# Altium PCB PCB1.PcbDoc (part 2 of 2)
Units mm, origin at the board's own origin, x right, y up, seen from the top; angles counter-clockwise.
Board outline 96.34 x 69.67 mm, 4 copper layers (Top Layer, 2 Layer, 3 Layer, Bottom Layer), stack 1.706 mm thick; 215 components, 152 nets, 687 pads, 296 vias.
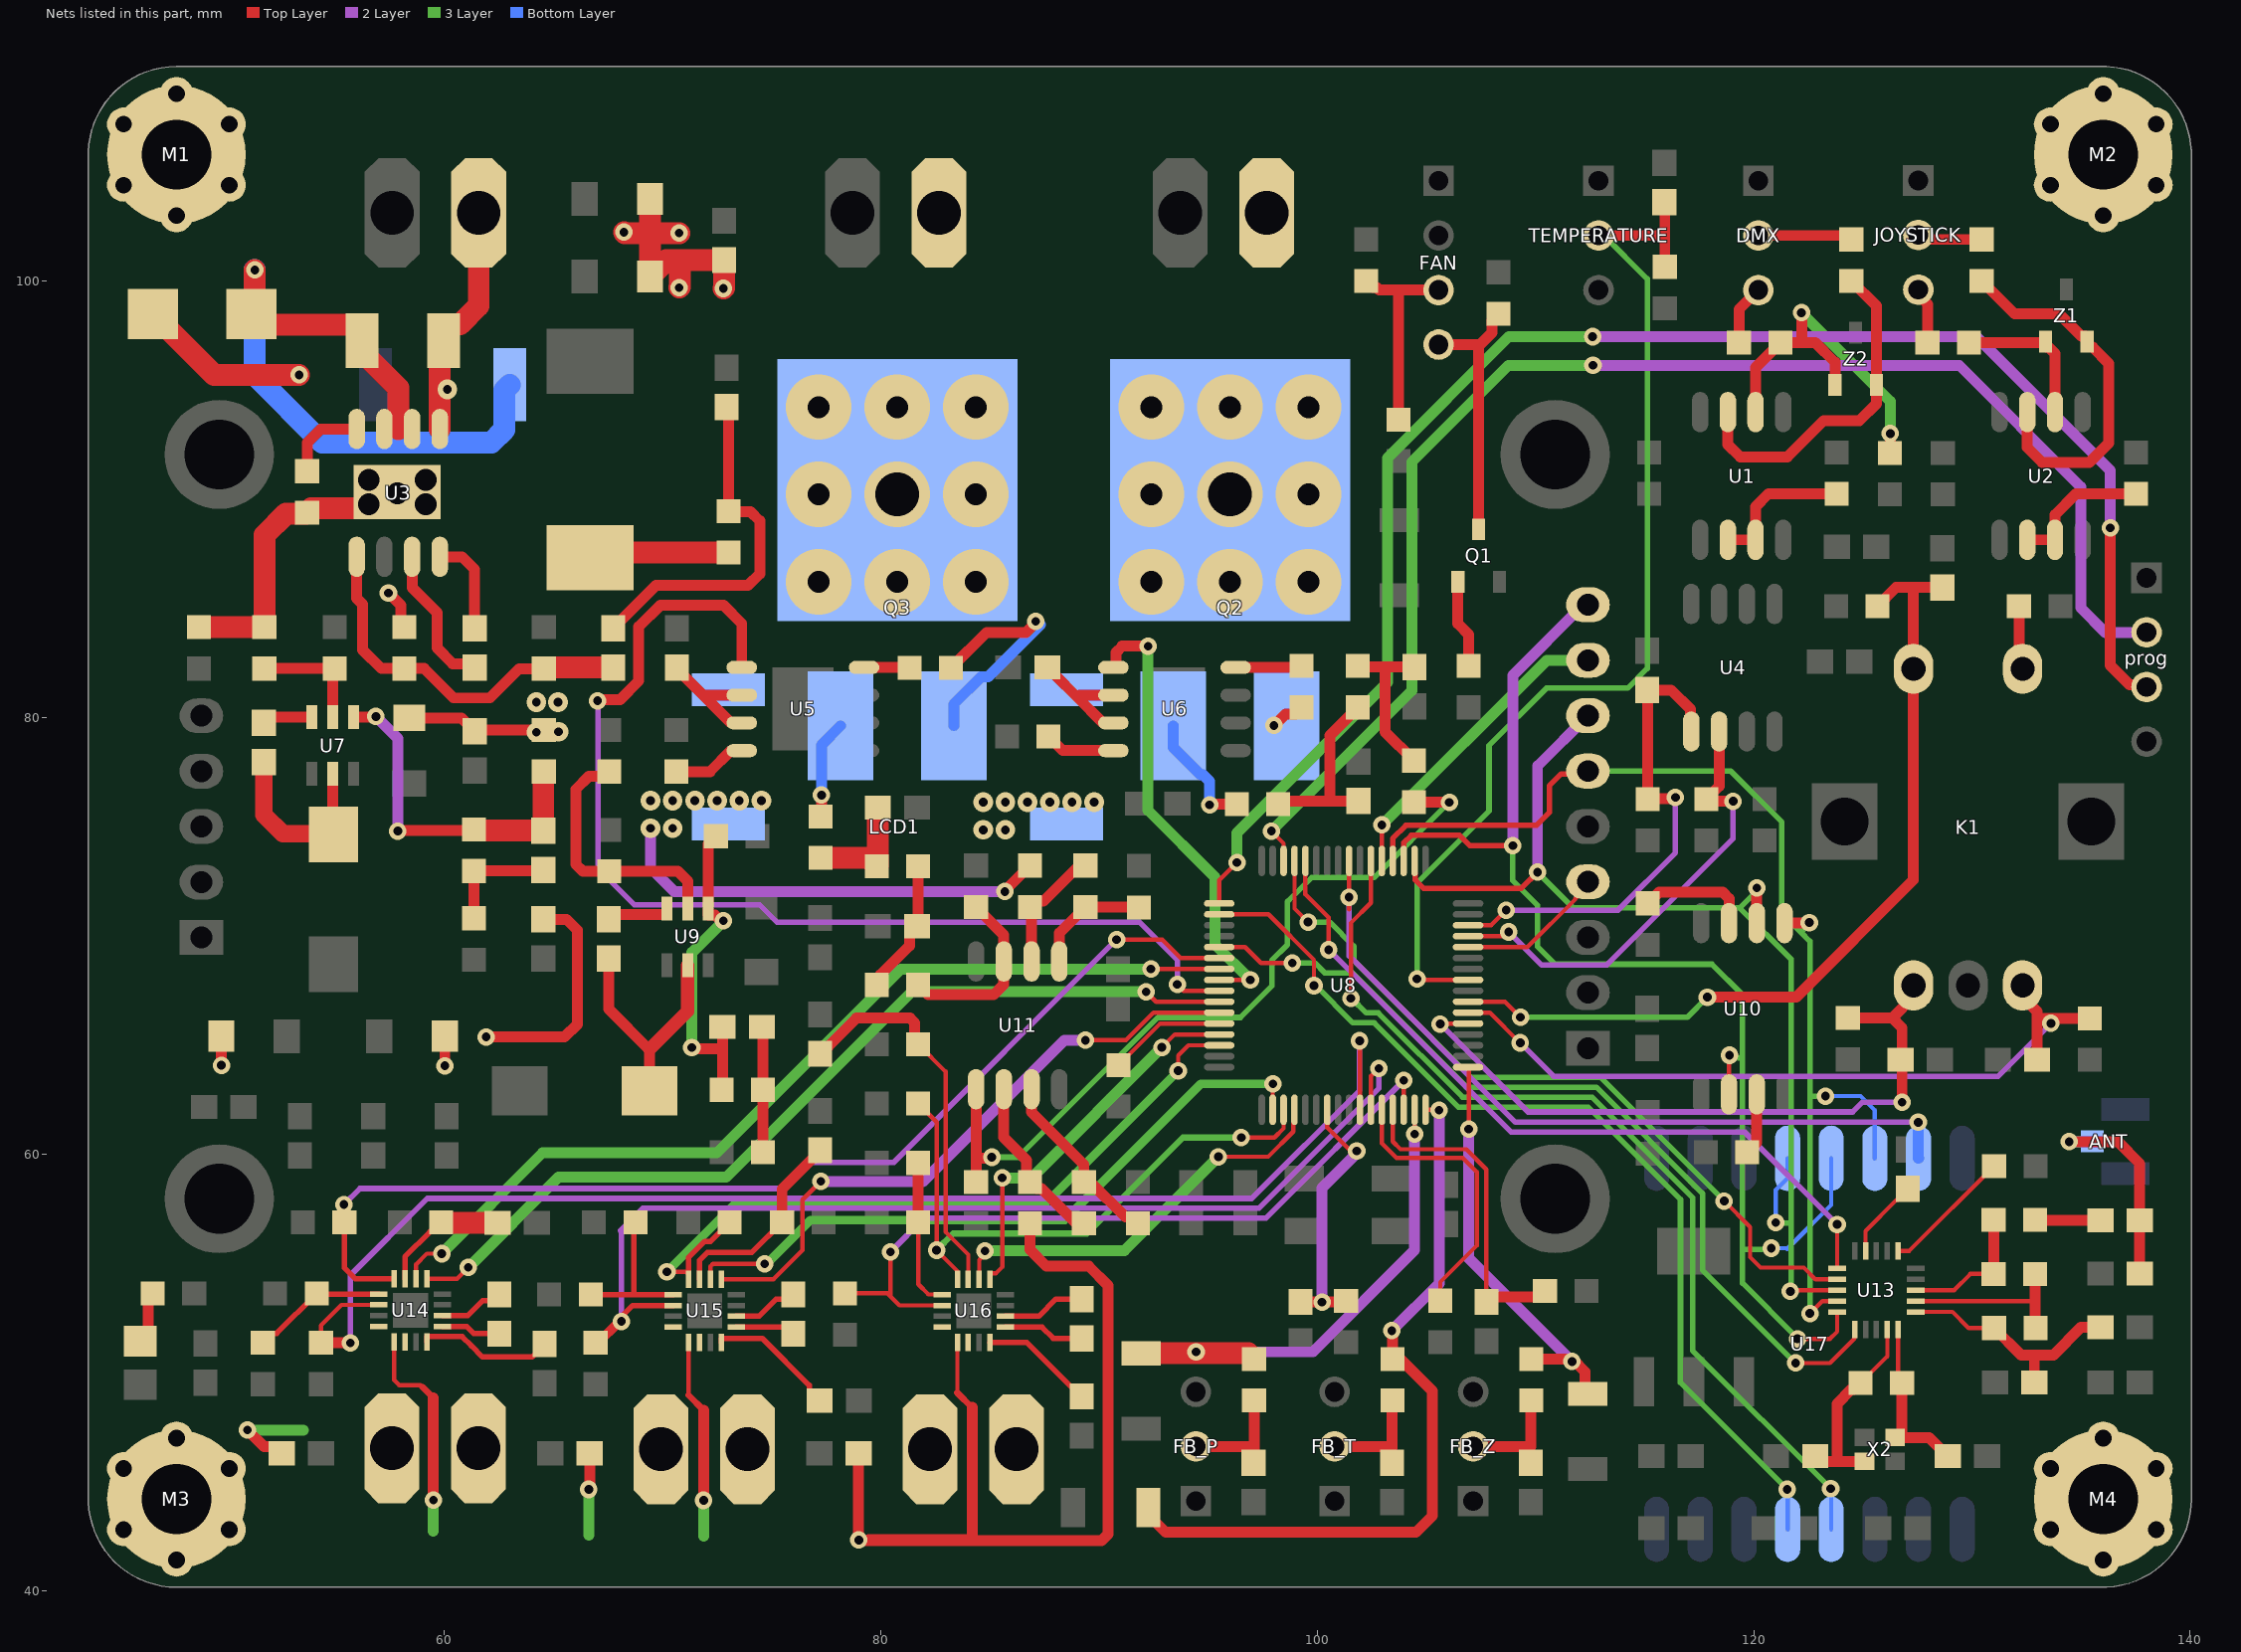
[diagram p4: the nets of this part, all layers, seen from the top]

## Via types
v1: diameter 0.8, hole 0.4, Top Layer to Bottom Layer, tented both sides, 207 vias
v2: diameter 0.9, hole 0.4, Top Layer to Bottom Layer, tented both sides, 63 vias
v3: diameter 3, hole 1, Top Layer to Bottom Layer, tented both sides, 16 vias
v4: diameter 1.4, hole 1, Top Layer to Bottom Layer, tented both sides, 8 vias
v5: diameter 3, hole 2, Top Layer to Bottom Layer, tented both sides, 2 vias

## Nets (pads, with @x,y where several pads share a name; then routed paths per layer and width w, separated by ;. In a path a pad name is that pad's centre, name@x,y a point inside that pad or via, vN(x,y) a via of type N, cw(c..) or ccw(c..) an arc to the next point about the centre after c; other vN are vias at no path point) (continued)
LCD_LED: LCD1.8 U8.37 | length 14.2
  Top Layer w0.2: U8.37@102.969,73.434 v1(102.969,75.08)
  3 Layer w0.5: v1(102.969,75.08) 110.517,82.628 LCD1.8@112.41,82.628
LCD_MISO: LCD1.9 U8.35 U10.2 U13.5 U17.13 | length 63.3
  Top Layer w0.2: U10.2@118.873,62.737 118.873,64.513 v1(118.89,64.53) ; v1(122.01,51.54) 123.5,51.54 123.826,51.866 U13.5@123.826,52.772
  Top Layer w0.25: U8.35@103.969,73.434 103.969,74.259 104.32,74.61 106.53,74.61 107.01,74.13 v1(108.97,74.13)
  2 Layer w0.254: LCD1.9@112.197,85.167 LCD1.9@112.41,85.167
  2 Layer w0.5: v1(108.97,74.13) 108.97,81.94 LCD1.9@112.197,85.167
  3 Layer w0.254: v1(108.97,74.13) 108.97,72.53 110.11,71.39 110.11,69.5 110.91,68.7 118.09,68.7 119.49,67.3 119.49,64.4 ; v1(118.89,64.53) 118.994,64.426 119.286,64.426 119.312,64.4 119.49,64.4 ; v1(120.81,55.69) 120.76,55.64 119.49,55.64 ; v1@121.99,51.59 119.49,54.09 119.49,55.64 ; 119.49,55.64 119.49,64.4
  Bottom Layer w0.2: v1(120.81,55.69) 121.51,55.69 121.54,55.66 123.555,57.675 U17.13@123.555,59.808
LCD_MOSI: LCD1.6 U8.36 U10.5 U13.4 U17.14 | length 53.6
  Top Layer w0.2: v1@122.527,70.587 v1(122.55,70.61) ; v1(122.58,52.7) 123.152,53.272 U13.4@123.826,53.272
  Top Layer w0.25: U8.36@103.469,73.434 103.469,74.459 104.07,75.06 110.05,75.06 110.64,75.65 110.64,76.87 111.185,77.415 112.274,77.415 LCD1.6@112.41,77.551
  Top Layer w0.5: U10.5@121.413,70.587 v1@122.527,70.587
  3 Layer w0.254: LCD1.6@112.41,77.551 118.949,77.551 121.29,75.21 121.29,71.04 122.175,70.155 ; v1(122.55,70.61) 122.55,70.563 122.175,70.188 122.175,70.155 ; v1(122.58,52.7) 122.58,62.56 ; v1(123.29,62.66) 122.68,62.66 122.58,62.56 ; 122.175,70.155 122.58,69.75 122.58,62.56
  Bottom Layer w0.2: v1(123.29,62.66) 124.9,62.66 125.555,62.005 U17.14@125.555,59.808
LCD_RESET: LCD1.4 U8.28 | length 6.9
  Top Layer w0.2: U8.28@106.919,69.484 106.923,69.48 109.63,69.48 111.839,71.689 111.839,71.723 112.41,72.294 LCD1.4@112.41,72.473
LCD_SCK: LCD1.7 U8.34 U10.6 U13.3 U17.12 | length 52.5
  Top Layer w0.2: v1@120.143,72.193 v1(120.15,72.2) ; v1(121.68,53.71) 121.742,53.772 U13.3@123.826,53.772
  Top Layer w0.25: U8.34@104.469,73.434 104.479,73.425 104.479,72.839 104.494,72.824 104.494,72.566 104.88,72.18 109.36,72.18 v1(110.1,72.92)
  Top Layer w0.5: U10.6@120.143,70.587 v1@120.143,72.193
  2 Layer w0.5: v1(110.1,72.92) 110.1,77.779 LCD1.7@112.41,80.089
  3 Layer w0.254: v1(110.1,72.92) 111.74,71.28 119.37,71.28 ; v1(120.15,72.2) 120.15,72.06 119.37,71.28 ; v1(121.01,56.86) 121.03,56.84 121.71,56.84 ; v1(121.68,53.71) 121.71,53.74 121.71,56.84 ; 119.37,71.28 121.71,68.94 121.71,56.84
  Bottom Layer w0.2: v1(121.01,56.86) 121.01,58.356 121.555,58.901 U17.12@121.555,59.808
LORA-DIO0: U8.50 U17.5 | length 44.4
  Top Layer w0.2: U8.50@95.519,70.984 97.776,70.984 99.86,68.9 v1(99.86,67.72)
  3 Layer w0.254: v1(99.86,67.72) 99.942,67.72 101.646,66.016 102.618,66.016 106.476,62.158 112.416,62.158 116.65,57.924 116.65,49.53 v1(121.54,44.64)
  Bottom Layer w0.2: v1(121.54,44.64) 121.555,44.625 U17.5@121.555,42.808
LORA-NSS: U8.40 U17.15 | length 36.3
  Top Layer w0.2: v1(101.469,71.77) 101.469,71.221 U8.40@101.469,73.434
  2 Layer w0.254: v1(101.469,71.77) 101.469,69.081 109.09,61.46 v1(127.54,61.46)
  Bottom Layer w0.5: v1(127.54,61.46) 127.54,59.823 U17.15@127.555,59.808
LORA-RST: U8.38 U17.4 | length 43.9
  Top Layer w0.2: v1(101.55,67.14) 101.55,70.59 102.469,71.509 U8.38@102.469,73.434
  3 Layer w0.254: v1(101.55,67.14) 101.58,67.14 102.25,66.47 102.806,66.47 106.664,62.612 112.604,62.612 117.206,58.01 117.206,51.004 v1(123.53,44.68)
  Bottom Layer w0.2: v1(123.53,44.68) 123.555,44.655 U17.4@123.555,42.808
M_PAN_EN: U8.58 U14.1 | length 41.9
  Top Layer w0.2: U14.1@59.223,54.294 60.604,54.294 v1(61.12,54.81) ; v1(92.17,67.44) 92.626,66.984 U8.58@95.519,66.984
  3 Layer w0.5: v1(61.12,54.81) 65.25,58.94 72.94,58.94 81.44,67.44 v1(92.17,67.44)
M_PAN_FAULT: R67.1 U8.54 U14.4 | length 51.3
  Top Layer w0.2: v1(90.82,69.83) 92.91,69.83 93.756,68.984 U8.54@95.519,68.984
  Top Layer w0.25: v1(55.42,57.69) 55.42,57.871 55.443,57.894 R67.1@55.443,56.878 55.443,54.793 55.942,54.294 U14.4@57.723,54.294
  2 Layer w0.254: v1(55.42,57.69) 56.154,58.424 75.404,58.424 76.6,59.62 80.61,59.62 v1(90.82,69.83)
M_PAN_IPROPI: R80.2 U8.10 U14.6 | length 63.5
  Top Layer w0.2: R80.2@54.374,51.362 54.374,52.155 55.313,53.094 U14.6@57.023,53.094 ; v1@55.708,51.362 v1(55.72,51.35) ; v1(101.95,65.19) 101.969,65.171 U8.10@101.969,62.034
  Top Layer w0.5: R80.2@54.374,51.362 v1@55.708,51.362
  2 Layer w0.254: v1(55.72,51.35) 55.72,54.45 59.24,57.97 96.999,57.97 101.95,62.921 v1(101.95,65.19)
M_PAN_PH: U8.55 U14.2 | length 43.1
  Top Layer w0.2: U14.2@58.723,54.294 58.723,54.943 59.22,55.44 v1(59.9,55.44) ; v1(92.39,68.48) 92.394,68.484 U8.55@95.519,68.484
  3 Layer w0.5: v1(59.9,55.44) 64.514,60.054 72.494,60.054 80.92,68.48 v1(92.39,68.48)
M_TILT_EN: U8.59 U15.1 | length 29.2
  Top Layer w0.2: U15.1@72.706,54.27 75.1,54.27 76.43,55.6 76.43,57.91 v1(77.27,58.75) ; v1(89.39,65.22) 91.25,65.22 92.514,66.484 U8.59@95.519,66.484
  2 Layer w0.5: v1(77.27,58.75) 81.96,58.75 88.43,65.22 v1(89.39,65.22)
M_TILT_FAULT: R70.1 U8.62 U15.4 | length 34.6
  Top Layer w0.2: v1(70.22,54.61) 71.116,54.61 71.206,54.52 U15.4@71.206,54.27 ; v1(93.64,63.82) 93.64,64.52 94.104,64.984 U8.62@95.519,64.984
  Top Layer w0.25: U15.4@71.206,54.52 71.206,55.258 71.951,56.003 72.221,56.003 R70.1@73.096,56.878
  3 Layer w0.4: v1(70.22,54.61) 73.26,57.65 87.47,57.65 v1(93.64,63.82)
M_TILT_IPROPI: R82.2 U8.11 U15.6 | length 50.6
  Top Layer w0.2: R82.2@66.947,51.359 67.086,51.22 68.13,52.264 v1(68.13,52.34) ; U8.11@102.469,62.034 102.469,63.579 102.82,63.93 v1(102.83,63.93)
  Top Layer w0.25: R82.2@66.947,51.359 68.658,53.07 U15.6@70.506,53.07
  2 Layer w0.254: v1(68.13,52.34) 68.13,56.44 68.08,56.49 69.106,57.516 97.336,57.516 102.83,63.01 v1(102.83,63.93)
M_TILT_PH: U8.2 U15.2 | length 31
  Top Layer w0.2: U15.2@72.206,54.27 72.206,54.853 72.323,54.97 v1(74.693,54.97) ; U8.2@97.969,62.034 97.969,63.21 v1(97.979,63.22)
  3 Layer w0.254: v1(74.693,54.97) v1@74.79,54.97
  3 Layer w0.4: v1@74.79,54.97 76.8,56.98 88.44,56.98 94.68,63.22 v1(97.979,63.22)
M_ZOOM_EN: U8.61 U16.1 | length 17.7
  Top Layer w0.2: U16.1@85.025,54.27 85.025,54.522 85.05,54.547 85.297,54.547 85.58,54.83 v1(85.58,58.91) ; v1(92.89,64.89) 93.484,65.484 U8.61@95.519,65.484
  3 Layer w0.5: v1(85.58,58.91) 86.91,58.91 v1(92.89,64.89)
M_ZOOM_FAULT: R57.1 U8.3 U16.4 | length 27.9
  Top Layer w0.2: R57.1@81.732,62.315 82.582,61.465 82.582,55.612 v1(82.57,55.6) 83.525,54.645 U16.4@83.525,54.27 ; v1(96.53,60.76) 98.05,60.76 98.469,61.179 U8.3@98.469,62.034
  3 Layer w0.3: v1(82.57,55.6) 83.33,56.36 89.46,56.36 93.86,60.76 v1(96.53,60.76)
M_ZOOM_IPROPI: R76.2 U8.14 U16.6 | length 34.8
  Top Layer w0.2: R76.2@78.377,53.622 80.318,53.622 80.46,53.48 ; v1(80.46,55.52) 80.46,53.48 ; U16.6@82.825,53.07 80.87,53.07 80.46,53.48 ; U8.14@103.969,62.034 U8.14@103.969,62.034 v1(103.97,63.38)
  2 Layer w0.254: v1(80.46,55.52) 82.002,57.062 97.652,57.062 v1(103.97,63.38)
M_ZOOM_PH: U8.4 U16.2 | length 18.8
  Top Layer w0.2: U16.2@84.525,54.27 84.525,55.153 84.79,55.418 v1(84.79,55.57) ; v1(95.48,59.88) 97.765,59.88 98.919,61.034 98.919,61.407 98.969,61.457 U8.4@98.969,62.034
  3 Layer w0.5: v1(84.79,55.57) 91.17,55.57 v1(95.48,59.88)
NetC6_2: C6.2 D1.2 R87.2 U3.2 U3.3 | length 32.6
  Top Layer w1: v1(51.34,100.51) 51.34,98.654 D1.2@51.181,98.495 51.676,98 56.017,98 56.247,97.77 C6.2@56.247,97.27 56.247,96.77 57.912,95.105 57.912,93.218
  Bottom Layer w1: v1(51.34,100.51) 51.34,95.68 54.43,92.59 62.17,92.59 62.769,93.189 62.769,95 R87.2@63.019,95.25
NetC7_1: C7.1 C11.2 R17.2 | length 16.6
  Top Layer w0.5: C11.2@67.754,84.092 67.754,84.142 68.054,84.442 68.104,84.442 69.722,86.06 73.94,86.06 74.47,86.59 74.47,89.011 74.05,89.431 73.071,89.431 R17.2@73.043,89.459 73.043,94.148 C7.1@72.961,94.23
NetC10_1: C10.1 U3.7 | length 6.7
  Top Layer w0.5: U3.7@58.547,87.368 58.547,85.943 59.69,84.8 59.69,83.185 60.405,82.47 61.234,82.47 C10.1@61.412,82.292
NetC10_2: C10.2 L1.1 R17.1 U3.8 | length 11
  Top Layer w0.5: U3.8@59.817,87.368 60.841,87.368 61.412,86.797 C10.2@61.412,84.092
  Top Layer w1: L1.1@66.702,87.324 66.937,87.559 R17.1@73.043,87.559
NetC11_1: C11.1 R23.2 R24.1 U3.5 | length 17.3
  Top Layer w0.5: U3.5@56.007,87.368 56.007,85.471 56.28,85.198 56.28,83.104 57.139,82.245 R23.2@58.191,82.245 59.106,82.245 60.452,80.899 62.109,80.899 63.452,82.242 R24.1@64.583,82.242
  Top Layer w1: R24.1@64.583,82.242 64.633,82.292 C11.1@67.754,82.292
NetC12_2: C12.2 U5.6 U5.7 | length 5.8
  Top Layer w0.5: C12.2@70.676,82.292 70.976,81.992 70.976,81.932 71.882,81.026 ; U5.7@73.648,79.756 73.629,79.775 73.133,79.775 71.882,81.026 ; U5.6@73.648,81.026 71.882,81.026
NetC15_2: C15.2 R26.2 R33.1 | length 7.4
  Top Layer w0.5: R26.2@101.872,82.364 101.922,82.314 103.124,82.314 ; R33.1@104.432,78.032 103.124,79.34 103.124,82.314 ; C15.2@104.457,82.314 103.124,82.314
NetC16_2: C16.2 U6.6 U6.7 | length 5.8
  Top Layer w0.5: C16.2@87.648,82.303 87.698,82.303 87.998,82.003 87.998,81.953 89.027,80.924 ; U6.7@90.672,79.756 90.653,79.775 90.176,79.775 89.027,80.924 ; U6.6@90.672,81.026 89.129,81.026 89.027,80.924
NetC18_1: C18.1 U7.6 | length 2.3
  Top Layer w0.5: C18.1@51.753,79.76 52.014,80.021 U7.6@53.962,80.021
NetC18_2: C18.2 L2.1 U7.2 | length 8.7
  Top Layer w0.5: L2.1@54.912,74.674 U7.2@54.912,77.421
  Top Layer w0.8: C18.2@51.753,77.96 51.753,75.552 52.631,74.674 L2.1@54.912,74.674
NetC20_2: C20.2 R26.1 R39.2 | length 8.6
  Top Layer w0.5: R39.2@98.222,76.038 98.366,76.182 100.584,76.182 ; R26.1@101.872,80.464 100.584,79.176 100.584,76.182 ; C20.2@101.897,76.182 100.584,76.182
NetC22_2: C22.2 R40.2 R44.1 | length 5.4
  Top Layer w1: R40.2@77.255,73.572 79.449,73.572 79.782,73.239 79.882,73.239 C22.2@79.882,75.882
NetC23_1: C23.1 R29.2 R41.1 U7.4 | length 16.1
  Top Layer w0.5: U7.4@55.862,80.021 56.861,80.021 v1(56.89,80.05) ; v1(57.89,74.8) 57.914,74.824 R41.1@61.437,74.824
  Top Layer w1: R41.1@61.437,74.824 C23.1@64.558,74.824 64.558,77.504 R29.2@64.583,77.529
  2 Layer w0.5: v1(56.89,80.05) 57.89,79.05 v1(57.89,74.8)
NetC23_2: C23.2 R41.2 R50.1 | length 5.4
  Top Layer w0.5: R50.1@61.387,70.81 R41.2@61.387,72.974 64.508,72.974 C23.2@64.558,73.024
NetC25_2: C25.2 R44.2 R51.1 | length 6.3
  Top Layer w0.5: R51.1@79.832,67.752 79.991,67.911 79.991,68.211 81.332,69.552 81.332,70.145 81.632,70.445 C25.2@81.682,70.445 81.732,70.495 R44.2@81.732,73.189
NetC28_1: C28.1 U9.6 | length 3
  Top Layer w0.5: C28.1@67.557,70.76 67.781,70.984 70.218,70.984 U9.6@70.218,71.258
NetC28_2: C28.2 L3.1 U9.2 | length 11.4
  Top Layer w0.5: C28.2@67.557,68.96 67.557,66.643 69.41,64.79 ; L3.1@69.432,62.909 69.432,64.812
  Top Layer w0.6: 69.432,64.812 71.168,66.548 U9.2@71.168,68.658
NetC31_2: C31.2 R54.1 U16.3 | length 17.8
  Top Layer w0.2: R54.1@81.732,65.033 82.982,63.783 82.982,56.438 84.025,55.395 U16.3@84.025,54.27
  Top Layer w0.5: C31.2@77.28,64.6 77.28,64.65 77.58,64.95 77.63,64.95 78.91,66.23 81.35,66.23 81.559,66.021 81.559,65.207 R54.1@81.732,65.033
NetC32_1: C32.1 R43.2 R56.1 U9.4 | length 15.5
  Top Layer w0.5: v1(71.357,64.883) 71.57,64.883 71.632,64.82 72.767,64.82 ; R43.2@72.466,74.567 72.118,74.219 U9.4@72.118,71.258 72.118,70.958 72.418,70.958 72.81,70.566 v1(72.81,70.69) ; R56.1@72.72,62.947 72.767,62.994 72.767,64.82 ; C32.1@72.767,65.829 72.767,64.82
  3 Layer w0.5: v1(71.357,64.883) 71.357,69.255 ; 71.375,69.255 v1(72.81,70.69)
NetC32_2: C32.2 R56.2 R59.1 | length 5.8
  Top Layer w0.5: C32.2@74.567,65.829 74.62,65.776 R56.2@74.62,62.947 R59.1@74.62,60.089
NetC38_2: C38.2 R71.1 U15.3 | length 9.4
  Top Layer w0.25: U15.3@71.706,54.27 71.706,55.122 72.083,55.499 74.115,55.499 R71.1@75.494,56.878
  Top Layer w0.5: R71.1@75.494,56.878 75.494,58.394 76.93,59.83 76.98,59.83 77.28,60.13 C38.2@77.28,60.18
NetC42_2: C42.2 U13.19 | length 3.7
  Top Layer w0.2: U13.19@125.126,55.572 125.126,56.481 126.564,57.919 126.614,57.919 127.064,58.369 C42.2@127.064,58.419
NetC46_1: C46.1 L4.2 | length 3
  Top Layer w0.5: L4.2@132.893,56.981 132.914,56.96 C46.1@135.886,56.96
NetC46_2: ANT.3 C46.2 C48.2 | length 9.7
  Top Layer w0.5: v1(134.46,60.57) 136.69,60.57 137.686,59.574 C46.2@137.686,56.96 C48.2@137.686,54.534
  Bottom Layer w0.5: v1(134.46,60.57) 134.465,60.575 135.504,60.575 ANT.3@135.508,60.579
NetC47_2: C47.2 R68.1 U14.3 | length 5.9
  Top Layer w0.25: U14.3@58.223,54.294 58.223,55.302 59.374,56.453 59.455,56.453 R68.1@59.88,56.878
  Top Layer w1: R68.1@59.88,56.878 59.905,56.853 C47.2@62.466,56.853
NetC49_1: C49.1 U14.13 | length 2.8
  Top Layer w0.25: U14.13@59.923,52.094 60.271,52.094 60.272,52.095 61.055,52.095 61.378,51.772 C49.1@62.547,51.772
NetC49_2: C49.2 U14.14 | length 3
  Top Layer w0.25: U14.14@59.923,52.594 61.085,52.594 61.768,53.277 62.252,53.277 C49.2@62.547,53.572
NetC50_1: C50.1 U15.13 | length 2.7
  Top Layer w0.25: U15.13@73.406,52.07 75.711,52.07 C50.1@76.009,51.772
NetC50_2: C50.2 U15.14 | length 3
  Top Layer w0.25: U15.14@73.406,52.57 74.44,52.57 75.23,53.36 75.797,53.36 C50.2@76.009,53.572
NetC51_1: C51.1 U16.13 | length 3.7
  Top Layer w0.25: U16.13@85.725,52.07 87.403,52.07 87.915,51.558 C51.1@89.218,51.558
NetC51_2: C51.2 U16.14 | length 3.8
  Top Layer w0.25: U16.14@85.725,52.57 87.257,52.57 88.045,53.358 C51.2@89.218,53.358
NetC52_2: C52.2 R79.1 U8.7 | length 12.3
  Top Layer w0.2: U8.7@100.469,62.034 100.469,61.211 101.54,60.14 v1(101.82,60.14)
  Top Layer w0.5: C52.2@99.25,53.231 101.278,53.231 R79.1@101.328,53.281
  2 Layer w0.254: v1(101.82,60.14) v1@101.87,60.09
  2 Layer w0.5: v1(100.23,53.22) 100.23,58.45 v1@101.87,60.09
NetC53_2: C53.2 R73.2 U8.13 | length 15.2
  Top Layer w0.2: U8.13@103.469,62.034 103.469,60.579 103.825,60.223 106.839,60.223 107.759,59.304 107.759,53.467 C53.2@107.759,53.231
  Top Layer w0.5: C53.2@107.759,53.231 107.995,53.467 110.167,53.467 R73.2@110.439,53.739
NetC54_2: C54.2 C57.2 L6.2 U13.11 | length 11.1
  Top Layer w0.2: U13.11@127.426,52.772 129.108,52.772 129.844,52.036 L6.2@131.013,52.036
  Top Layer w0.5: L6.2@131.013,52.036 132.249,50.8 132.992,50.8 ; C57.2@132.86,49.537 132.86,50.668 132.992,50.8 ; C54.2@135.886,52.061 134.996,52.061 133.735,50.8 132.992,50.8
NetC56_1: C56.1 U14.12 | length 6.3
  Top Layer w0.25: U14.12@59.223,51.394 59.223,51.644 60.458,51.644 60.459,51.645 60.84,51.645 61.265,51.22 61.265,51.215 61.77,50.71 64.035,50.71 64.622,51.297 C56.1@64.622,51.312
NetC59_1: C59.1 U16.12 | length 5.2
  Top Layer w0.25: U16.12@85.025,51.37 86.706,51.37 88.702,49.374 88.793,49.374 89.218,48.949 C59.1@89.218,48.899
NetC60_1: C60.1 U15.12 | length 6
  Top Layer w0.25: U15.12@72.706,51.37 72.706,51.555 74.585,51.555 76.737,49.403 76.737,49.13 77.162,48.705 C60.1@77.212,48.705
NetC65_2: C65.2 R86.1 U13.9 X2.1 | length 9.4
  Top Layer w0.2: R86.1@124.897,49.512 126.126,50.741 U13.9@126.126,51.972
  Top Layer w0.5: C65.2@122.827,46.165 123.073,45.919 123.821,45.919 ; R86.1@124.897,49.512 124.597,49.212 124.472,49.212 123.821,48.561 123.821,45.919 ; X2.1@125.081,45.919 123.821,45.919
NetC66_1: C66.1 R86.2 U13.10 X2.3 | length 7.5
  Top Layer w0.2: U13.10@126.626,51.972 126.626,49.683 R86.2@126.797,49.512
  Top Layer w0.5: R86.2@126.797,49.512 126.797,47.095 126.873,47.019 128.047,47.019 128.551,46.515 128.551,46.465 128.851,46.165 C66.1@128.901,46.165
NetC67_2: C67.2 FB_P.2 R83.2 | length 5.6
  Top Layer w0.5: FB_P.2@94.453,46.609 96.989,46.609 97.116,46.736 ; C67.2@97.091,45.865 97.116,45.89 97.116,46.736 ; R83.2@97.116,48.717 97.116,46.736
NetC68_2: C68.2 FB_T.2 R84.2 | length 4.9
  Top Layer w0.5: FB_T.2@100.803,46.609 103.355,46.609 103.441,46.523 103.441,48.692 R84.2@103.466,48.717
NetC69_2: C69.2 FB_Z.2 R85.2 | length 4.8
  Top Layer w0.5: FB_Z.2@107.153,46.609 109.791,46.609 109.791,48.692 R85.2@109.816,48.717
NetD3_1: D3.1 R74.1 | length 2.4
  Top Layer w0.5: D3.1@46.101,51.435 46.46,51.794 46.46,53.407 R74.1@46.665,53.612
NetH1_2: JOYSTICK.2 R4.2 | length 3
  Top Layer w0.5: JOYSTICK.2@127.543,102.108 127.787,102.108 127.989,101.905 R4.2@130.447,101.905
NetH1_3: JOYSTICK.3 R9.2 | length 2.6
  Top Layer w0.5: JOYSTICK.3@127.543,99.608 127.543,99.364 127.965,98.942 R9.2@127.965,97.173
NetH2_2: DMX.2 R3.2 | length 4.3
  Top Layer w0.5: DMX.2@120.219,102.088 124.295,102.088 R3.2@124.478,101.905
NetH2_3: DMX.3 R8.2 | length 2.8
  Top Layer w0.5: R8.2@119.329,97.173 119.329,98.698 DMX.3@120.219,99.588
NetH4_3: FAN.3 R2.1 R10.2 | length 9.5
  Top Layer w0.5: R2.1@102.253,100.005 102.553,99.705 102.729,99.705 102.846,99.588 103.632,99.588 ; R10.2@103.733,93.65 103.733,99.487 103.632,99.588 ; FAN.3@105.572,99.588 103.632,99.588
NetH4_4: FAN.4 Q1.3 R7.2 | length 12.1
  Top Layer w0.5: FAN.4@105.572,97.088 107.463,97.088 ; Q1.3@107.403,88.623 107.403,97.028 107.463,97.088 ; R7.2@108.313,98.501 108.014,98.202 108.014,97.639 107.463,97.088
NetJ1_1: Q2.3 W.1
  other v3: 92.412,86.224 96.012,86.224 99.612,86.224 92.412,90.224 99.612,90.224 92.412,94.224 96.012,94.224 99.612,94.224
  other v5: 96.012,90.224
NetJ2_1: C.1 Q3.3
  other v3: 77.172,86.224 80.772,86.224 84.372,86.224 77.172,90.224 84.372,90.224 77.172,94.224 80.772,94.224 84.372,94.224
  other v5: 80.772,90.224
NetJ4_1: P.1 U14.8
NetJ4_2: P.2 U14.10
NetJ5_1: U16.8 Z.1
NetJ5_2: U16.10 Z.2
NetJ6_1: T.1 U15.8
NetJ6_2: T.2 U15.10
NetK1_5: K1.5 R19.2 | length 2.9
  Top Layer w0.5: R19.2@132.156,85.108 132.156,82.399 K1.5@132.321,82.234
NetL4_1: L4.1 L5.1 U13.13 | length 6.3
  Top Layer w0.2: U13.13@127.426,53.772 129.192,53.772 129.928,54.508 L5.1@130.993,54.508
  Top Layer w0.5: L5.1@130.993,54.508 L4.1@130.993,56.981
NetL5_2: L5.2 L6.1 U13.12 | length 8
  Top Layer w0.2: U13.12@127.426,53.272 132.807,53.272 132.893,53.358
  Top Layer w0.5: L5.2@132.893,54.508 132.893,53.358 132.893,52.056 L6.1@132.913,52.036
NetM1_1: M1.1 M1.2 M1.3 M1.4 M1.5 M1.6 M1.7
NetM2_1: M2.1 M2.2 M2.3 M2.4 M2.5 M2.6 M2.7
NetM3_1: M3.1 M3.2 M3.3 M3.4 M3.5 M3.6 M3.7
NetM4_1: M4.1 M4.2 M4.3 M4.4 M4.5 M4.6 M4.7
NetQ1_1: Q1.1 R25.2 | length 4.1
  Top Layer w0.5: Q1.1@106.453,86.223 106.453,84.301 106.952,83.802 R25.2@106.952,82.364
NetQ2_1: Q2.1 R39.1 R88.2 | length 5.6
  Top Layer w0.5: v1(95.08,76) 95.118,76.038 R39.1@96.322,76.038
  Bottom Layer w0.5: Q2.1@93.412,79.624 93.412,78.624 94.662,77.374 94.787,77.374 95.08,77.081 v1(95.08,76)
NetQ2_2: Q2.2 R28.2 | length 1.6
  Top Layer w0.5: v1(98.03,79.64) 98.554,80.164 98.996,80.164 R28.2@99.296,80.464
NetQ3_1: Q3.1 R40.1 R89.2 | length 4.5
  Top Layer w0.5: R40.1@77.255,75.472 77.3,75.517 v1(77.3,76.45)
  Bottom Layer w0.5: v1(77.3,76.45) 77.3,78.752 Q3.1@78.172,79.624
NetQ3_2: Q3.2 R27.2 | length 11.6
  Top Layer w0.5: R27.2@83.236,82.278 84.858,83.9 86.67,83.9 87.18,84.41 v1(87.11,84.41)
  Bottom Layer w0.5: Q3.2@83.372,79.624 83.372,80.624 84.622,81.874 84.944,81.874 87.33,84.26 87.18,84.41 v1(87.11,84.41)
NetR3_1: R3.1 U1.7 Z2.2 | length 15.6
  Top Layer w0.5: U1.7@118.819,93.994 118.819,92.509 119.38,91.948 121.55,91.948 123.201,93.599 124.841,93.599 125.623,94.381 125.623,95.238 Z2.2@125.625,95.24 125.625,98.858 R3.1@124.478,100.005
NetR4_1: R4.1 U2.7 Z1.2 | length 16.8
  Top Layer w0.5: R4.1@130.447,100.005 131.951,98.501 133.98,98.501 135.01,97.471 135.227,97.471 135.277,97.421 Z1.2@135.277,97.221 ; U2.7@132.535,93.994 132.535,92.382 133.223,91.694 135.382,91.694 136.271,92.583 136.271,96.227 Z1.2@135.527,96.971
NetR8_1: R8.1 R14.2 U1.6 Z2.1 | length 17.1
  Top Layer w0.5: U1.6@120.089,93.994 120.089,96.033 R8.1@121.229,97.173 122.21,97.173 ; v1(122.19,98.55) 122.21,98.53 122.21,97.173 ; Z2.1@123.725,95.24 123.725,96.28 122.832,97.173 122.21,97.173 ; R14.2@126.238,92.126 126.26,92.148 v1(126.26,93.01)
  3 Layer w0.5: v1(122.19,98.55) 126.26,94.48 v1(126.26,93.01)
NetR9_1: R9.1 U2.6 Z1.1 | length 6.9
  Top Layer w0.5: R9.1@129.865,97.173 133.329,97.173 133.329,97.069 133.427,96.971 133.512,96.971 133.805,96.678 U2.6@133.805,93.994
NetR12_2: R12.2 U1.2 U1.3 | length 6.7
  Top Layer w0.5: U1.2@118.819,88.144 U1.3@120.089,88.144 120.089,89.662 120.673,90.246 R12.2@123.807,90.246
NetR13_2: R13.2 U2.2 U2.3 | length 6.5
  Top Layer w0.5: U2.2@132.535,88.144 U2.3@133.805,88.144 ; U2.3@133.805,88.144 133.805,89.284 134.767,90.246 R13.2@137.523,90.246
NetR16_2: R16.2 U3.4 | length 3.8
  Top Layer w0.5: R16.2@53.739,91.291 53.739,92.601 54.356,93.218 U3.4@56.007,93.218
NetR21_2: R21.2 R22.1 U7.5 | length 5.5
  Top Layer w0.5: R21.2@51.778,82.245 R22.1@54.994,82.245 54.912,82.162 U7.5@54.912,80.021
NetR27_1: R27.1 U5.4 | length 2.1
  Top Layer w0.5: U5.4@79.248,82.296 81.318,82.296 R27.1@81.336,82.278
NetR28_1: R28.1 U6.4 | length 3.1
  Top Layer w0.5: U6.4@96.272,82.296 99.228,82.296 R28.1@99.296,82.364
NetR30_2: R30.2 R42.1 U9.5 | length 12
  Top Layer w0.5: R30.2@67.582,77.529 67.362,77.309 66.641,77.309 66.04,76.708 66.04,73.279 66.365,72.954 R42.1@67.582,72.954 70.718,72.954 71.168,72.504 U9.5@71.168,71.258
NetR31_1: R31.1 U5.8 | length 3.4
  Top Layer w0.5: R31.1@70.651,77.526 72.192,77.526 73.133,78.467 73.629,78.467 U5.8@73.648,78.486
NetR32_1: R32.1 U6.8 | length 3.2
  Top Layer w0.5: R32.1@87.701,79.139 88.354,78.486 U6.8@90.672,78.486
NetR33_2: R33.2 R63.2 U11.5 | length 36.2
  Top Layer w0.5: R63.2@84.38,58.725 84.38,59.81 ; U11.5@84.381,62.978 84.38,62.977 84.38,59.81 ; v1(85.1,59.86) 85.05,59.81 84.38,59.81 ; R33.2@104.432,76.132 106.048,76.132 v1(106.06,76.12)
  3 Layer w0.254: v1(85.1,59.86) 86.31,59.86 92.71,66.26 96.49,66.26 97.93,67.7 97.93,68.88 98.65,69.6 98.65,71.57 99.75,72.67 102.61,72.67 v1(106.06,76.12)
NetR45_2: R45.2 R51.2 U11.3 | length 8.4
  Top Layer w0.5: R51.2@81.732,67.752 82.184,67.3 85.18,67.3 85.651,67.771 U11.3@85.651,68.828 85.651,70.052 R45.2@84.38,71.323
NetR46_2: R46.2 R47.1 U11.2 | length 5.9
  Top Layer w0.5: U11.2@86.921,68.828 86.921,71.252 R46.2@86.85,71.323 87.11,71.583 87.458,71.583 89.098,73.223 R47.1@89.39,73.223
NetR47_2: R47.2 R48.1 U11.1 | length 5.4
  Top Layer w0.5: U11.1@88.191,68.828 88.191,70.124 R47.2@89.39,71.323 91.819,71.323 R48.1@91.839,71.303
NetR49_1: R49.1 U10.7 | length 5.2
  Top Layer w0.5: R49.1@115.151,71.487 115.672,72.008 118.58,72.008 118.873,71.715 U10.7@118.873,70.587
NetR55_1: R55.1 U8.60 | length 5.4
  Top Layer w0.2: R55.1@90.911,64.079 92.817,65.984 U8.60@95.519,65.984
NetR60_1: R60.1 R72.2 U16.5 | length 6.8
  Top Layer w0.2: R72.2@81.732,56.878 81.732,54.038 82.2,53.57 U16.5@82.825,53.57
  Top Layer w0.5: R72.2@81.732,56.878 R60.1@81.732,59.596
NetR61_1: R61.1 U10.3 | length 2.8
  Top Layer w0.5: R61.1@119.705,60.089 120.143,60.527 U10.3@120.143,62.737
NetR62_2: R62.2 U13.16 | length 6
  Top Layer w0.2: U13.16@126.626,55.572 127.131,55.572 R62.2@131.013,59.454
NetR64_2: R64.2 R65.1 U11.6 | length 8
  Top Layer w0.5: U11.6@85.651,62.978 85.651,60.78 86.699,59.732 86.699,58.877 R64.2@86.851,58.725 87.146,58.43 87.366,58.43 88.971,56.825 R65.1@89.323,56.825
NetR65_2: R65.2 R66.1 U11.7 | length 8.5
  Top Layer w0.5: U11.7@86.921,62.978 86.921,61.923 89.323,59.521 R65.2@89.323,58.725 89.611,58.725 91.216,57.12 91.499,57.12 R66.1@91.794,56.825
NetR69_1: R69.1 R77.2 U15.5 | length 7.1
  Top Layer w0.25: R77.2@66.726,53.576 66.732,53.57 68.707,53.57 ; R69.1@68.778,56.878 68.707,56.807 68.707,53.57 ; U15.5@70.506,53.57 68.707,53.57
NetR75_1: R75.1 R81.2 U14.5 | length 6.3
  Top Layer w0.25: R81.2@51.707,51.359 52.132,51.784 52.345,51.784 R75.1@54.173,53.612 54.191,53.594 U14.5@57.023,53.594
NetR78_1: R78.1 U8.12 | length 13
  Top Layer w0.2: U8.12@102.969,62.034 102.969,60.498 103.644,59.823 106.674,59.823 107.315,59.182 107.315,55.806 105.646,54.137 R78.1@105.646,53.284
NRF_CE: U8.44 U13.1 | length 35
  Top Layer w0.2: U8.44@99.469,73.434 99.469,71.901 100.53,70.84 v1(100.53,69.36) ; U13.1@123.826,54.772 v1(123.826,56.78)
  2 Layer w0.254: v1(100.53,69.36) 100.548,69.36 108.902,61.006 119.6,61.006 v1(123.826,56.78)
NRF_CSN: U8.45 U13.2 | length 35.3
  Top Layer w0.2: U8.45@98.969,73.434 98.969,71.251 v1(99.59,70.63) ; v1(118.65,57.85) 119.84,56.66 119.84,55.28 120.32,54.8 122.3,54.8 122.828,54.272 U13.2@123.826,54.272
  3 Layer w0.254: v1(99.59,70.63) 100.58,70.63 101.69,69.52 101.69,68.87 107.04,63.52 112.98,63.52 v1(118.65,57.85)
NRF_IRQ: U8.53 U13.6 | length 39.9
  Top Layer w0.2: U8.53@95.519,69.484 96.706,69.484 97.43,68.76 v1(98.87,68.76) ; v1(121.92,50.43) 123.5,50.43 124.626,51.556 U13.6@124.626,51.972
  3 Layer w0.254: v1(98.87,68.76) 99.9,68.76 100.35,68.31 101.608,68.31 106.852,63.066 112.792,63.066 117.66,58.198 117.66,54.69 v1(121.92,50.43)
PAN_ADC: D4.2 R83.1 U8.15 | length 23.6
  Top Layer w0.2: v1(104.469,60.923) U8.15@104.469,62.034
  Top Layer w1: D4.2@91.948,50.874 96.859,50.874 R83.1@97.116,50.617
  2 Layer w0.5: v1(94.46,50.94) 99.81,50.94 104.469,55.599 v1(104.469,60.923)
POWER_GND: C2.1 C3.1 C4.1 C6.1 C17.1 C19.1 C27.1 C33.1 C34.1 C61.1 C62.1 C63.1 D1.1 PWR.1 R16.1 R20.2 R21.1 R23.1 R29.1 R46.1 R64.1 R88.1 R89.1 U3.1 U14.9 U15.9 U16.9 | length 160.8
  Top Layer w0.2: U14.9@57.723,51.394 57.723,49.653 57.956,49.42 58.93,49.42 59.02,49.33 ; 71.206,48.954 U15.9@71.206,51.37 ; v1@79.171,42.479 79.216,42.435 79.385,42.435 79.429,42.479 84.2,42.479 ; 83.525,49.065 U16.9@83.525,51.37
  Top Layer w0.3: 59.02,49.33 59.52,48.83 ; 71.206,48.954 71.9,48.26 ; 83.525,49.065 84.2,48.39
  Top Layer w0.5: v1(49.808,64.072) C33.1@49.808,65.405 ; v1(51,47.36) 51.769,46.591 52.274,46.591 C61.1@52.574,46.291 ; v1(57.46,85.71) 58.027,85.143 58.027,84.308 R23.1@58.191,84.145 ; C17.1@58.42,79.986 60.805,79.986 61.062,79.729 61.112,79.729 61.412,79.429 C19.1@61.412,79.379 61.462,79.429 R29.1@64.583,79.429 ; v1(59.52,44.15) 59.52,48.83 ; v1(60.047,64.047) C34.1@60.047,65.405 ; v1(61.94,65.37) 65.53,65.37 66.11,65.95 66.11,70.26 65.61,70.76 C27.1@64.558,70.76 ; v1(66.64,44.64) 66.679,44.679 C62.1@66.679,46.291 ; v1(71.9,44.14) 71.9,48.26 ; v1@78.998,42.479 C63.1@78.998,46.291 ; v1@79.084,42.392 79.084,42.367 79.151,42.3 90.137,42.3 90.43,42.593 90.43,53.98 89.55,54.86 87.61,54.86 86.851,55.619 R64.1@86.851,56.825 ; 84.2,42.479 84.2,48.39 ; v1(85.7,72.03) 85.7,72.073 R46.1@86.85,73.223
  Top Layer w1: D1.1@46.681,98.495 49.476,95.7 v1(53.37,95.7) ; R20.2@48.786,84.145 R21.1@51.778,84.145 51.778,88.354 52.765,89.341 53.689,89.341 R16.1@53.739,89.391 53.938,89.59 57.123,89.59 U3.1@57.863,90.33 ; U3.1@59.817,93.218 59.817,97.09 C6.1@59.997,97.27 59.997,97.77 60.247,98.02 60.747,98.02 61.595,98.868 PWR.1@61.595,103.124 ; v1(68.25,102.24) 68.29,102.2 69.445,102.2 ; C4.1@69.445,100.203 C4.1@69.445,100.328 ; C2.1@69.445,103.759 69.445,102.2 ; v1(70.78,99.7) 70.81,99.73 70.81,100.961 ; v1(70.78,102.2) 69.445,102.2 ; v1(72.81,99.66) 72.834,99.684 C3.1@72.834,100.961 70.81,100.961 ; C4.1@69.445,100.328 69.445,102.2 ; C4.1@69.445,100.328 69.545,100.428 69.67,100.428 70.203,100.961 70.81,100.961
  2 Layer w0.5: v2(69.469,74.93) 69.469,73.121 70.56,72.03 v1(85.7,72.03)
  3 Layer w0.5: v1(51,47.36) 53.56,47.36 ; 59.52,42.73 v1(59.52,44.15) ; 66.64,42.55 v1(66.64,44.64) ; 71.9,42.51 v1(71.9,44.14)
  other v1: 79.012,42.32
  other v2: 84.709,74.857 85.725,74.857 70.485,74.93 84.709,76.127 85.725,76.127 86.741,76.127 87.757,76.127 88.773,76.127 89.789,76.127 69.469,76.2 70.485,76.2 71.501,76.2 72.517,76.2 73.533,76.2 74.549,76.2 64.24,79.33 65.25,79.35 64.24,80.71 65.23,80.71 60.16,95.04
  other v4: 56.56,89.78 59.16,89.78 57.88,90.27 56.56,90.88 59.16,90.88
PWM_C: U5.5 U8.57 | length 51.4
  Top Layer w0.2: v1(93.6,67.78) 93.6,67.77 93.886,67.484 U8.57@95.519,67.484
  Top Layer w0.5: v1(67.04,80.77) 67.097,80.827 68.076,80.827 68.93,81.682 68.93,84.16 69.92,85.15 72.81,85.15 73.648,84.312 U5.5@73.648,82.296
  2 Layer w0.254: v1@67.06,80.77 67.06,73.09 68.733,71.417 74.473,71.417 75.27,70.62 91.88,70.62 93.6,68.9 v1(93.6,67.78)
PWM_W: U6.5 U8.56 | length 21
  Top Layer w0.2: U8.56@95.519,67.984 v1(96.944,67.984)
  Top Layer w0.5: U6.5@90.672,82.296 90.737,82.296 90.783,82.342 90.783,82.977 91.076,83.27 v1(92.26,83.27)
  3 Layer w0.5: v1(92.26,83.27) 92.26,75.75 95.33,72.68 95.33,69.598 v1(96.944,67.984)
ROTARY_KEY: C9.2 K1.4 R18.1 U8.23 | length 40
  Top Layer w0.2: U8.23@106.919,66.984 108.606,66.984 v1(109.32,66.27) ; 127.3,85.961 127.321,85.94
  Top Layer w0.5: v1(117.88,67.19) 121.95,67.19 127.321,72.561 K1.4@127.321,82.234 127.321,85.94 ; R18.1@125.674,85.108 126.527,85.961 127.3,85.961 C9.2@128.644,85.961
  3 Layer w0.254: v1(109.32,66.27) 109.321,66.269 116.959,66.269 v1(117.88,67.19)
ROTARY_M1: C35.2 K1.1 R52.1 U8.21 | length 32.3
  Top Layer w0.2: v1(105.64,65.96) 105.654,65.974 106.929,65.974 U8.21@106.919,65.984
  Top Layer w0.5: R52.1@124.315,66.238 126.347,66.238 ; v1(126.8,62.38) 126.8,65.785 126.347,66.238 ; K1.1@127.321,67.734 127.321,67.212 126.347,66.238
  2 Layer w0.254: v1(105.64,65.96) 109.667,61.933 124.533,61.933 124.98,62.38 v1(126.8,62.38)
ROTARY_M2: C36.2 K1.3 R53.2 U8.22 | length 35
  Top Layer w0.2: U8.22@106.919,66.484 107.91,66.484 109.294,65.1 v1(109.31,65.1)
  Top Layer w0.5: K1.3@132.321,67.734 132.321,67.207 132.987,66.541 132.987,66.17 ; C36.2@132.987,64.323 132.987,66.17 ; R53.2@135.4,66.218 133.035,66.218 132.987,66.17
  2 Layer w0.254: v1(109.31,65.1) 110.84,63.57 131.2,63.57 v1(133.62,65.99)
SCL: R36.1 U4.6 U8.29 | length 21.6
  Top Layer w0.2: U8.29@106.919,69.984 108.574,69.984 108.77,70.18 v1(108.78,70.18)
  Top Layer w0.5: U4.6@118.417,79.361 118.417,76.86 R36.1@117.828,76.271 117.929,76.17 v1(119.06,76.17)
  2 Layer w0.254: v1(108.78,70.18) 110.3,68.66 113.26,68.66 119.06,74.46 v1(119.06,76.17)
SDA: C13.2 R38.1 U4.5 U8.30 | length 23.1
  Top Layer w0.2: U8.30@106.919,70.484 107.974,70.484 v1(108.67,71.18)
  Top Layer w0.5: v1(116.42,76.34) 116.371,76.291 115.171,76.291 R38.1@115.151,76.271 115.151,81.237 C13.2@115.126,81.262 116.223,81.262 117.099,80.386 117.099,79.409 U4.5@117.147,79.361
  2 Layer w0.254: v1(108.67,71.18) 113.79,71.18 116.42,73.81 v1(116.42,76.34)
SWCLK: prog.3 U8.49 | length 72.6
  Top Layer w0.2: U8.49@95.519,71.484 95.519,72.549 v1(96.33,73.36)
  Top Layer w0.5: v1(136.34,88.69) 136.34,82.39 137.227,81.503 137.9,81.503 prog.3@137.999,81.404
  2 Layer w0.5: v1(112.62,97.45) 130.21,97.45 136.34,91.32 v1(136.34,88.69)
  3 Layer w0.5: v1(96.33,73.36) 96.33,74.72 103.23,81.62 103.23,91.9 108.78,97.45 v1(112.62,97.45)
SWDATA: prog.2 U8.46 | length 65
  Top Layer w0.2: v1(97.91,74.8) 97.91,74.79 98.469,74.231 U8.46@98.469,73.434
  2 Layer w0.5: v1(112.64,96.14) 129.42,96.14 134.98,90.58 134.98,85.027 136.103,83.904 prog.2@137.999,83.904
  3 Layer w0.5: v1(97.91,74.8) 104.35,81.24 104.35,91.72 108.77,96.14 v1(112.64,96.14)
TEMPERATURE: C1.2 R6.1 TEMPERATURE.2 U8.25 | length 50
  Top Layer w0.2: v1(104.58,68.03) 104.626,67.984 U8.25@106.919,67.984
  Top Layer w0.5: TEMPERATURE.2@112.896,102.088 115.933,102.088 ; C1.2@115.908,103.614 115.933,103.589 115.933,102.088 ; R6.1@115.933,100.655 115.933,102.088
  3 Layer w0.254: v1(104.58,68.03) 104.58,72.42 107.88,75.72 107.88,78.72 110.51,81.35 114.23,81.35 115.13,82.25 115.13,100.1 113.142,102.088 TEMPERATURE.2@112.896,102.088
TILT_ADC: D6.2 R84.1 U8.16 | length 35.1
  Top Layer w0.2: v1(103.42,51.91) v1@103.466,51.864 ; U8.16@104.969,62.034 105.566,62.034 v1(105.59,62.01)
  Top Layer w0.5: D6.2@92.27,43.815 92.27,43.465 93.063,42.672 104.532,42.672 105.283,43.423 105.283,49.149 103.815,50.617 R84.1@103.466,50.617 v1@103.466,51.864
  2 Layer w0.5: v1(103.42,51.91) 105.59,54.08 v1(105.59,62.01)
ZOOM_ADC: D5.2 R85.1 U8.17 | length 19.1
  Top Layer w0.2: U8.17@106.919,63.984 106.95,63.953 v1(106.95,61.15)
  Top Layer w0.5: R85.1@109.816,50.617 v1@111.68,50.617 ; v1@111.743,50.563 112.277,50.029 112.277,49.14 D5.2@112.395,49.022
  2 Layer w0.254: 106.94,55.24 106.95,55.25
  2 Layer w0.5: 106.94,55.24 v1(111.68,50.5) ; 106.95,55.25 v1(106.95,61.15)
pads on no net: K1.6 LCD1.10 LCD1.11 LCD1.12 LCD1.13 LCD1.14 LCD1.15 U1.4 U2.4 U3.6 U5.0 U6.0 U8.42 U8.51 U17.1 U17.6 U17.7 U17.8 U17.10 U17.11

## Polygon pours and split planes (outlines as drawn)
GND on Top Layer "Top Layer-No Net3" (solid, remove dead copper, pour order 6): 43.719,44.066 cw(c43.819,44.069) 43.719,44.069 43.719,105.897 cw(c43.817,105.918) 43.717,105.921 cw(c47.752,105.791) 47.75,109.828 cw(c47.75,109.728) 47.75,109.828 136.142,109.828 cw(c136.142,109.728) 136.165,109.826 cw(c136.015,105.791) 140.049,105.951 cw(c139.954,105.918) 140.054,105.918 140.054,44.196 cw(c139.954,44.196) 140.054,44.196 cw(c136.017,44.198) 136.177,40.164 cw(c136.144,40.259) 136.144,40.159 47.752,40.159 cw(c47.752,40.259) 47.752,40.159 cw(c47.754,44.196)
GND on Bottom Layer "Top Layer-No Net1" (solid, pour order 4): 43.719,44.066 cw(c43.819,44.069) 43.719,44.069 43.719,105.897 cw(c43.817,105.918) 43.717,105.921 cw(c47.752,105.791) 47.75,109.828 cw(c47.75,109.728) 47.75,109.828 136.142,109.828 cw(c136.142,109.728) 136.165,109.826 cw(c136.015,105.791) 140.049,105.951 cw(c139.954,105.918) 140.054,105.918 140.054,44.196 cw(c139.954,44.196) 140.054,44.196 cw(c136.017,44.198) 136.177,40.164 cw(c136.144,40.259) 136.144,40.159 47.752,40.159 cw(c47.752,40.259) 47.752,40.159 cw(c47.754,44.196)
GND on 2 Layer "Top Layer-No Net" (solid, remove dead copper, pour order 7): 43.719,44.066 cw(c43.819,44.069) 43.719,44.069 43.719,105.897 cw(c43.817,105.918) 43.717,105.921 cw(c47.752,105.791) 47.75,109.828 cw(c47.75,109.728) 47.75,109.828 136.142,109.828 cw(c136.142,109.728) 136.165,109.826 cw(c136.015,105.791) 140.049,105.951 cw(c139.954,105.918) 140.054,105.918 140.054,44.196 cw(c139.954,44.196) 140.054,44.196 cw(c136.017,44.198) 136.177,40.164 cw(c136.144,40.259) 136.144,40.159 47.752,40.159 cw(c47.752,40.259) 47.752,40.159 cw(c47.754,44.196)
GND on 3 Layer "Top Layer-No Net2" (solid, remove dead copper, pour order 8): 43.719,44.066 cw(c43.819,44.069) 43.719,44.069 43.719,105.897 cw(c43.817,105.918) 43.717,105.921 cw(c47.752,105.791) 47.75,109.828 cw(c47.75,109.728) 47.75,109.828 136.142,109.828 cw(c136.142,109.728) 136.165,109.826 cw(c136.015,105.791) 140.049,105.951 cw(c139.954,105.918) 140.054,105.918 140.054,44.196 cw(c139.954,44.196) 140.054,44.196 cw(c136.017,44.198) 136.177,40.164 cw(c136.144,40.259) 136.144,40.159 47.752,40.159 cw(c47.752,40.259) 47.752,40.159 cw(c47.754,44.196)

## Keep-outs
Keep-Out Layer:
  lines w0.2: 43.817,105.918 cw(c47.752,105.791) 47.75,109.728 136.142,109.728 ; 43.819,105.918 43.819,44.069 ccw(c47.754,44.196) 47.752,40.259 136.144,40.259 ; 136.017,109.728 cw(c136.015,105.791) 139.95,105.918 ; 136.144,40.263 ccw(c136.017,44.198) 139.954,44.196 139.954,105.918

## Other copper
Top Layer:
  rectangle net POWER_GND: 61.05,92.28 62.86,105.069
  rectangle net POWER_GND: 59.28,92.27 61.28,98.48
  rectangle net NetC6_2: 56.82,92.26 58.93,98.52
  rectangle net NetC28_2: 67.97,61.77 70.7,65.96
  rectangle net GND: 78.06,79.24 82.64,81.24
  rectangle net POWER_GND: 67.62,99.27 73.3,101.53
  rectangle net POWER_GND: 67.62,99.27 71.15,104.55
  rectangle net 24V: 63.69,96.94 67.33,105.92
  rectangle net 24V: 63.64,92.17 70.99,97.9
  rectangle net NetC10_2: 59.4,86.15 68.71,88.48
  rectangle net 12V: 63.14,66.02 65.3,69.56
  rectangle net 12V: 52.19,64.58 58.11,70.03
  rectangle net 12V: 52.6,67.03 65.1,69.56
  rectangle net POWER_GND: 63.45,78.79 65.78,81.262
  rectangle net POWER_GND: 57.71,78.78 65.14,80.35
  rectangle net 24V: 84.395,50.11 86.75,50.77
  rectangle net 24V: 71.88,67.69 77.82,69.64
  rectangle net 24V: 55.59,76.44 61.67,78.17
  rectangle net 24V: 56.89,75.95 63.48,78.18
  rectangle net 24V: 53.33,83.56 55.53,84.88
  rectangle net 24V: 62.43,83.29 65.16,84.9
  rectangle net NetJ5_2: 83.88,49.27 84.19,51.77
  rectangle net NetJ5_2: 83.9,49.25 86.84,49.9
  rectangle net NetJ5_2: 84.96,47.94 86.84,49.6
  rectangle net NetJ5_1: 82.42,48 82.96,52.19
  rectangle net NetJ6_2: 71.56,49.18 71.87,51.77
  rectangle net NetJ6_2: 71.56,49.14 74.54,50.23
  rectangle net NetJ6_2: 72.65,47.95 74.54,49.87
  rectangle net NetJ6_1: 70.1,47.83 70.77,52.18
  rectangle net NetJ4_2: 58.09,49.77 58.36,51.8
  rectangle net NetJ4_2: 60.96,47.371 62.252,50.165
  rectangle net NetJ4_2: 58.08,49.72 62.252,50.31
  rectangle net NetJ4_1: 56.642,48.387 57.277,52.061
  rectangle net 90V: 77.064,100.203 80.366,109.347
  rectangle net 90V: 92.075,100.203 95.377,109.347
  rectangle net 90V: 55.626,106.553 95.377,109.347
  rectangle net 90V: 55.118,100.33 59.309,109.347
  rectangle net NetJ2_1: 81.001,92.964 85.319,105.918
  rectangle net NetJ1_1: 96.012,92.964 100.33,105.918
  text "1" at 117.75,106.11 h4
2 Layer:
  rectangle net POWER_GND: 60.09,98.66 63.08,100.63
  rectangle net POWER_GND: 52.69,85.23 63.08,99.11
  rectangle net 24V: 52.06,41.65 77.85,43.53
  rectangle net 24V: 52.06,41.73 54.49,52.67
  rectangle net 24V: 44.8,49.41 54.49,52.67
  rectangle net 24V: 44.8,49.41 46.81,84.61
  rectangle net 24V: 76.15,41.65 78,51.07
  rectangle net 24V: 77.08,49.75 86.76,51.07
  rectangle net 24V: 59.48,67.68 77.8,69.5
  rectangle net 24V: 59.39,67.68 63.48,84.02
  rectangle net 24V: 44.8,81.77 68.15,84.66
  rectangle net 24V: 63.65,81.77 68.15,97.72
  rectangle net POWER_GND: 60.071,100.33 75.184,105.918
  rectangle net POWER_GND: 68.961,74.168 75.184,105.918
  rectangle net 90V: 55.657,106.553 95.408,109.347
  rectangle net 90V: 77.095,100.203 80.397,109.347
  rectangle net 90V: 55.149,100.33 59.34,109.347
  rectangle net 90V: 92.106,100.203 95.408,109.347
  text "BAYANI" at 101.34,106.34 h3.8
  text "2" at 120.66,106.11 h4
3 Layer:
  rectangle net 12V: 64.55,47.47 66.38,50.31
  rectangle net 12V: 79.36,48.15 80.62,51.37
  rectangle net 12V: 56.46,49.65 57.42,62.96
  rectangle net 12V: 56.49,60.79 65.37,62.96
  rectangle net 12V: 63.14,61.43 65.29,67.3
  rectangle net 12V: 57.15,49.64 80.62,51.37
  rectangle net POWER_GND: 53.01,41.68 79.51,43.29
  rectangle net POWER_GND: 53,41.68 54.54,64.6
  rectangle net POWER_GND: 54.72,64.17 56.22,82.66
  rectangle net POWER_GND: 48.4,63.39 62.3,66.42
  rectangle net POWER_GND: 57.7,78.78 65.78,83.31
  rectangle net POWER_GND: 54.69,81.69 62.44,99.09
  rectangle net POWER_GND: 84.201,74.041 90.551,83.566
  rectangle net POWER_GND: 68.961,77.089 90.551,83.566
  rectangle net POWER_GND: 68.961,77.089 75.184,105.918
  rectangle net POWER_GND: 60.071,100.33 75.184,105.918
  rectangle net 90V: 55.143,100.33 59.334,109.347
  rectangle net 90V: 92.1,100.203 95.402,109.347
  rectangle net 90V: 55.651,106.553 95.402,109.347
  rectangle net 90V: 77.089,100.203 80.391,109.347
  text "3" at 125.79,106.16 h4
Bottom Layer:
  rectangle net POWER_GND: 84.201,74.095 90.424,76.635
  rectangle net POWER_GND: 68.961,74.168 75.184,76.708
  rectangle net NetQ3_1: 71.247,77.089 79.502,82.169
  rectangle net NetQ2_1: 86.741,77.089 94.996,82.169
  rectangle net 90V: 77.064,100.203 80.366,109.347
  rectangle net 90V: 92.075,100.203 95.377,109.347
  rectangle net 90V: 55.118,93.58 59.309,109.347
  rectangle net 90V: 55.626,106.553 95.377,109.347
  rectangle net NetJ2_1: 81.001,92.964 85.319,105.918
  rectangle net NetJ1_1: 96.012,92.964 100.33,105.918
  text "4" at 129.36,106.11 h4
Multi-Layer:
  pour cut-out: 100.886,109.07 113.61,109.07 113.61,106.03 100.9,106.03
  pour cut-out: 117.01,109.66 129.74,109.66 129.74,105.16 117.03,105.16

## Silkscreen, mask and mechanical layers (free items; w line width, h text height)
Bottom Overlay:
  text "bayanico.com" at 100,69.07 h2.5
  text "BN-T2K3M500" at 100,65.69 h2.5
  text "DMY-270521" at 98.68,62.33 h2.5
  text "V3.00" at 95.12,58.97 h2.5
Top Solder:
  rectangle: 75.28,84.5 86.272,96.54
  rectangle: 90.52,84.5 101.512,96.54
  rectangle: 100.9,106.03 113.61,109.09
  rectangle: 117.03,105.16 129.74,109.66
Bottom Solder:
  rectangle: 100.881,106.01 113.611,109.11
  rectangle: 117.01,105.16 129.74,109.66

## Text inside footprints (layer, text, board x,y; h text height)
C: Bottom Overlay "-" at 82.662,107.646 h2 r270; Bottom Overlay "+" at 78.02,107.65 h2 r270
P: Bottom Overlay "-" at 57.791,42.001 h2 r90; Bottom Overlay "+" at 62.49,42 h2 r90
prog: Bottom Overlay "VCC" at 136.399,86.004 h1.3; Bottom Overlay "GND" at 136.399,78.454 h1.3; Bottom Overlay "SWC" at 136.399,80.971 h1.3
PWR: Bottom Overlay "-" at 62.79,107.65 h2 r270; Bottom Overlay "+" at 55.44,107.65 h2 r270
T: Bottom Overlay "-" at 70.13,41.96 h2 r90; Bottom Overlay "+" at 74.82,41.96 h2 r90
W: Bottom Overlay "-" at 97.68,107.65 h2 r270; Bottom Overlay "+" at 93.04,107.65 h2 r270
Z: Bottom Overlay "-" at 82.46,41.96 h2 r90; Bottom Overlay "+" at 87.14,41.96 h2 r90